# KiCad board PANEL7x5_ADS1293.kicad_pcb (continued)
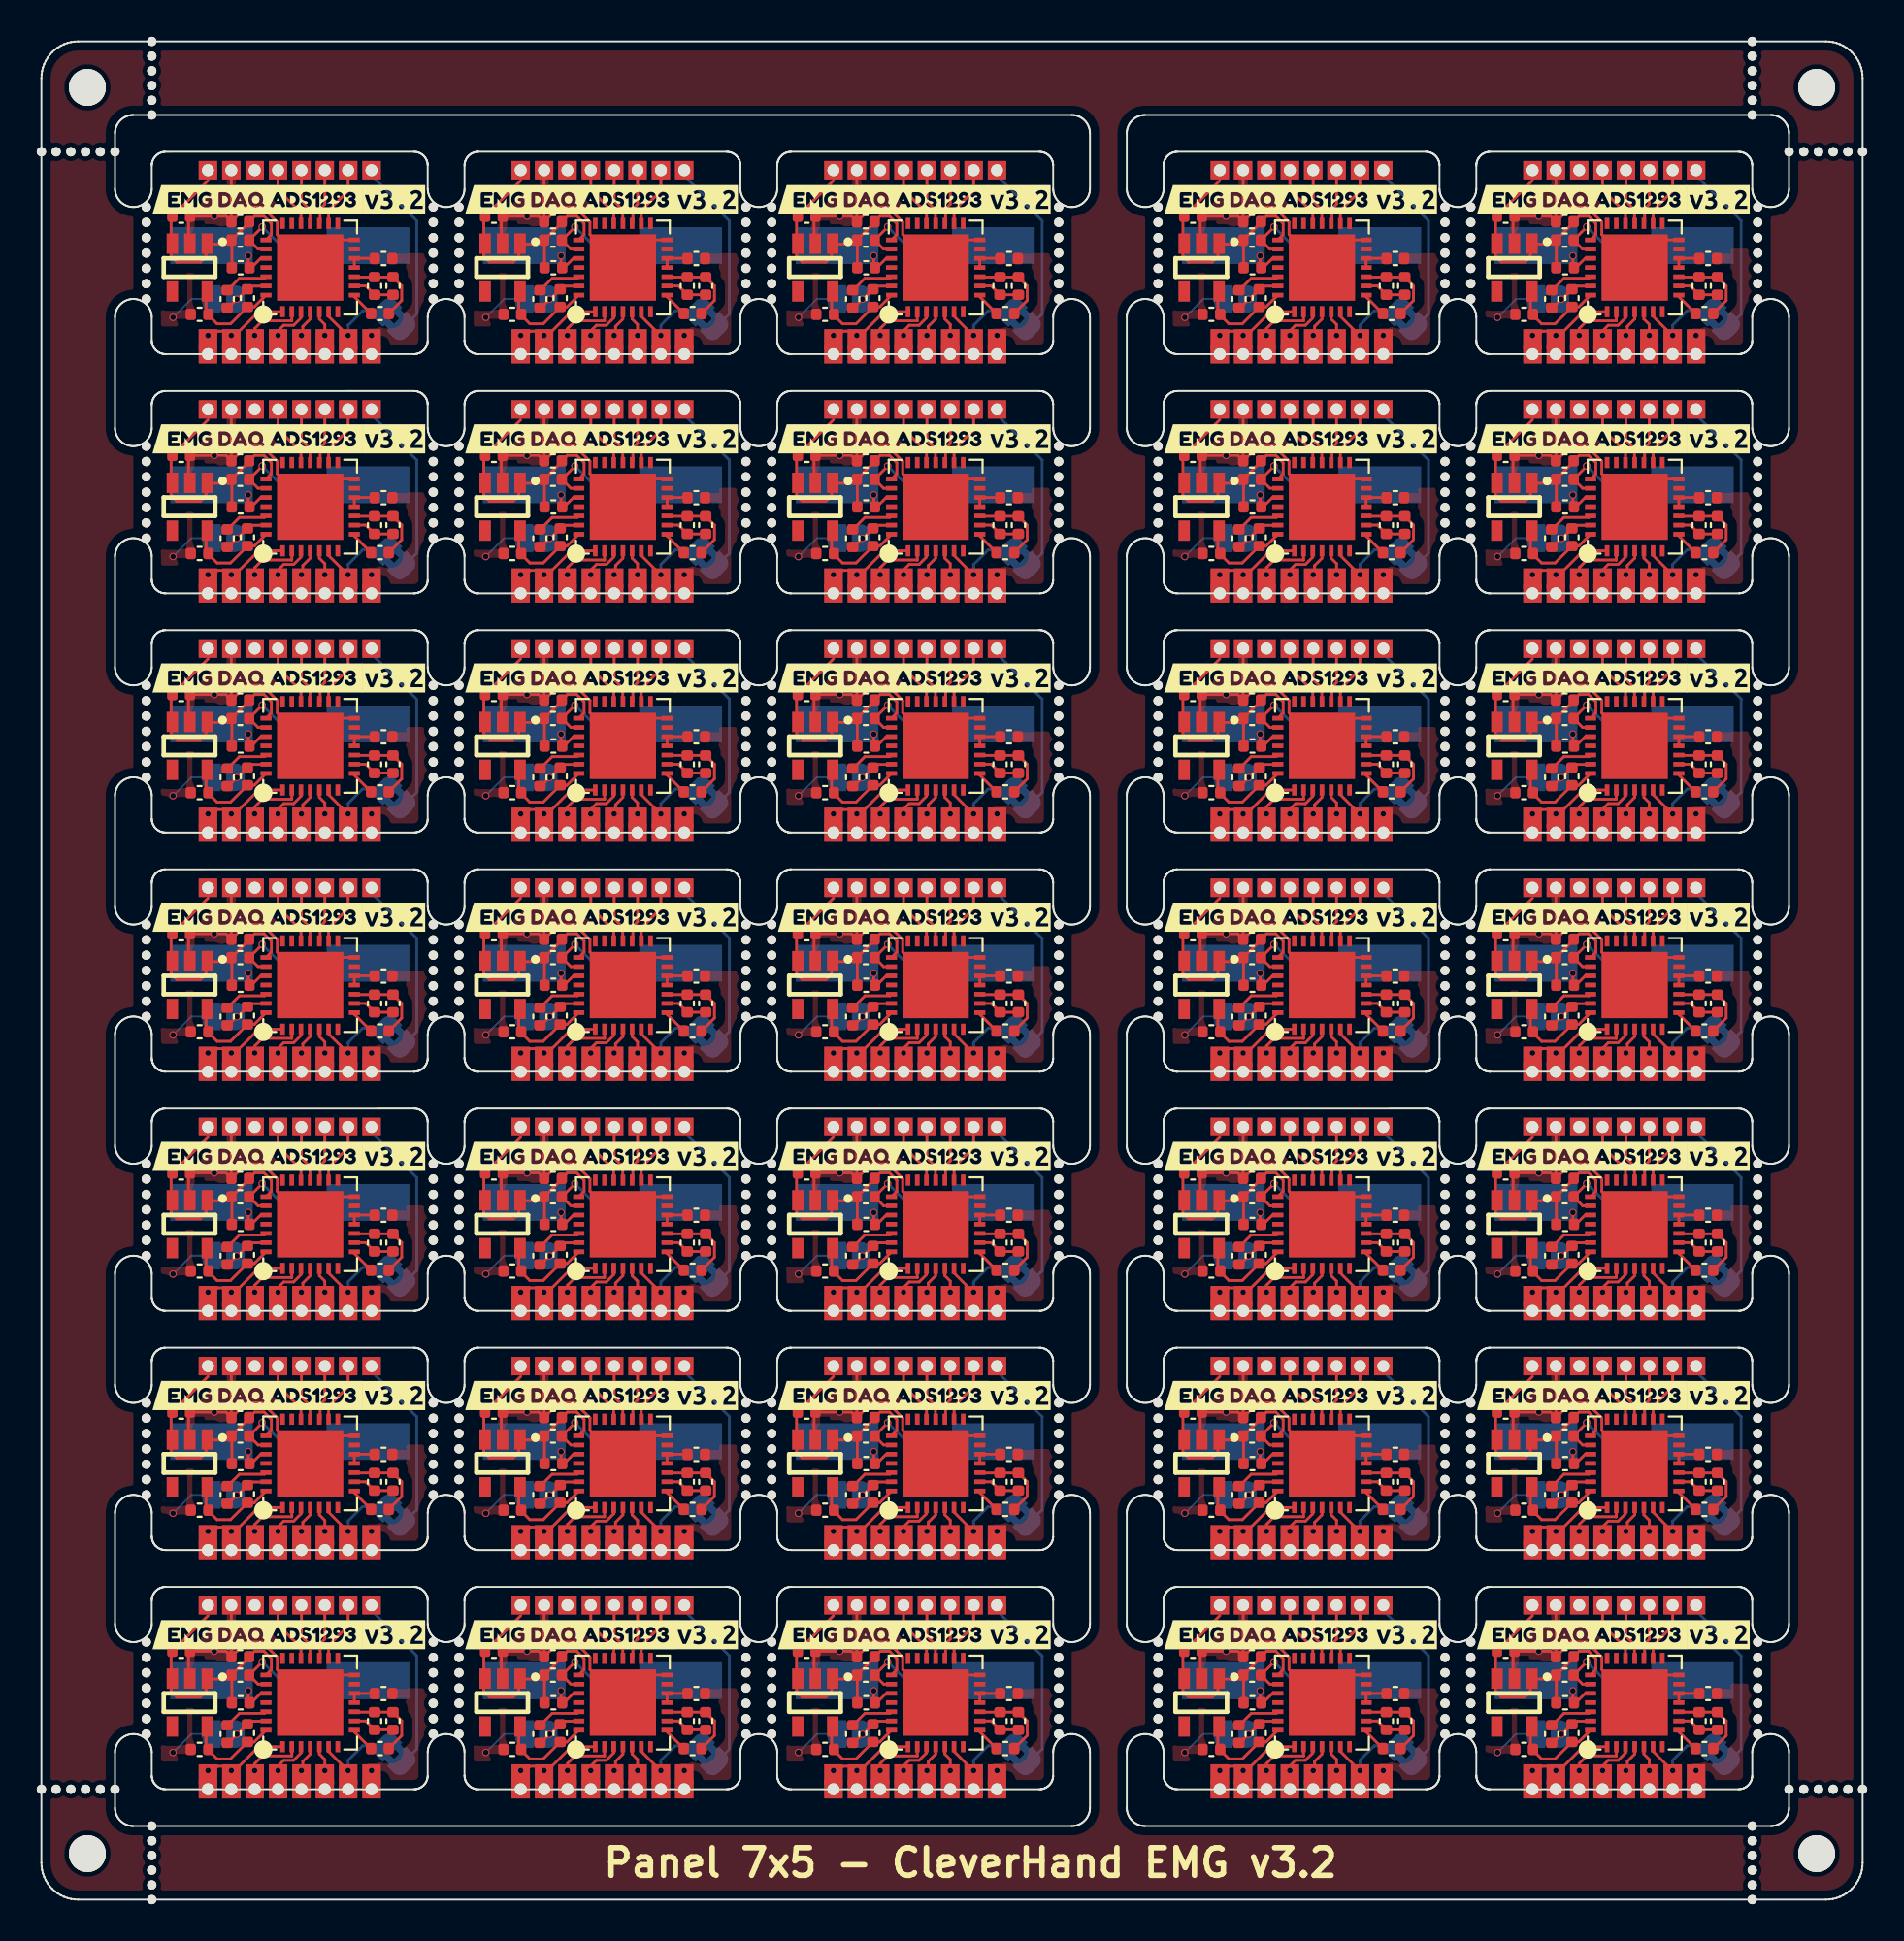
[diagram p0: board, top side]
## Nets (continued)
Board_16-+3.3VA: C1#28.1 C8#9.1 U1#35.28 U2#12.5
Board_16-/CMOUT: R1#14.2 U1#35.8
Board_16-/CSB: J12#3.1 U1#35.16
Board_16-/cvref: C2#33.1 U1#35.26
Board_16-/extRef: J7#26.1 JP2.1
Board_16-/in1: J2#22.1 J3#27.1 U1#35.1
Board_16-/in2: J4#24.1 U1#35.2
Board_16-/in3: J5#20.1 U1#35.3
Board_16-/in4: J6#3.1 U1#35.4
Board_16-/in5: J8#20.1 U1#35.5
Board_16-/in6: J15#23.1 JP2.2 U1#35.6
Board_16-/PICO: J10#13.1 U1#35.18
Board_16-/POCI: J9#5.1 U1#35.19
Board_16-/RLDINV: C6#7.1 R1#14.1 R2#14.1 U1#35.10
Board_16-/RLDOUT: C6#7.2 R2#14.2 U1#35.9
Board_16-/RLDREF: C7#2.1 U1#35.11 U1#35.12
Board_16-/SCLK: J11#26.1 U1#35.17
Board_16-GND: C5#13.2 C8#9.2 C9#16.2 J14#32.1 JP1#33.1 U1#35.14 U1#35.29 U2#12.2
Board_16-GNDA: C1#28.2 C2#33.2 C7#2.2 J16#10.1 JP1#33.2 U1#35.27
Board_16-unconnected-(J1-Pin_1-Pad1): J1#2.1
Board_16-unconnected-(U1-ALARMB-Pad15): U1#35.15
Board_16-unconnected-(U1-CLK-Pad21): U1#35.21
Board_16-unconnected-(U1-DRDYB-Pad20): U1#35.20
Board_16-unconnected-(U1-RSTB-Pad25): U1#35.25
Board_16-unconnected-(U1-SYNCB-Pad13): U1#35.13
Board_16-unconnected-(U1-WCT-Pad7): U1#35.7
Board_16-unconnected-(U2-NC-Pad4): U2#12.4
Board_16-XTAL1: C4#17.2 U1#35.23 Y1#23.1
Board_16-XTAL2: C3#18.2 U1#35.24 Y1#23.2
Board_17-+3.3V: C3#30.1 C4#27.1 C5#32.1 C9#31.1 J13#7.1 U1.22 U2#30.1 U2#30.3
Board_17-+3.3VA: C1#3.1 C8#28.1 U1.28 U2#30.5
Board_17-/CMOUT: R1#7.2 U1.8
Board_17-/CSB: J12#23.1 U1.16
Board_17-/cvref: C2#35.1 U1.26
Board_17-/extRef: J7#3.1 JP2#27.1
Board_17-/in1: J2#20.1 J3#21.1 U1.1
Board_17-/in2: J4#20.1 U1.2
Board_17-/in3: J5#35.1 U1.3
Board_17-/in4: J6.1 U1.4
Board_17-/in5: J8#3.1 U1.5
Board_17-/in6: J15#27.1 JP2#27.2 U1.6
Board_17-/PICO: J10#5.1 U1.18
Board_17-/POCI: J9#24.1 U1.19
Board_17-/RLDINV: C6#22.1 R1#7.1 R2#13.1 U1.10
Board_17-/RLDOUT: C6#22.2 R2#13.2 U1.9
Board_17-/RLDREF: C7#34.1 U1.11 U1.12
Board_17-/SCLK: J11#13.1 U1.17
Board_17-GND: C5#32.2 C8#28.2 C9#31.2 J14#35.1 JP1#15.1 U1.14 U1.29 U2#30.2
Board_17-GNDA: C1#3.2 C2#35.2 C7#34.2 J16#22.1 JP1#15.2 U1.27
Board_17-unconnected-(J1-Pin_1-Pad1): J1#30.1
Board_17-unconnected-(U1-ALARMB-Pad15): U1.15
Board_17-unconnected-(U1-CLK-Pad21): U1.21
Board_17-unconnected-(U1-DRDYB-Pad20): U1.20
Board_17-unconnected-(U1-RSTB-Pad25): U1.25
Board_17-unconnected-(U1-SYNCB-Pad13): U1.13
Board_17-unconnected-(U1-WCT-Pad7): U1.7
Board_17-unconnected-(U2-NC-Pad4): U2#30.4
Board_17-XTAL1: C4#27.2 U1.23 Y1#27.1
Board_17-XTAL2: C3#30.2 U1.24 Y1#27.2
Board_18-+3.3V: C3#31.1 C4#13.1 C5#18.1 C9#2.1 J13#4.1 U1#34.22 U2#28.1 U2#28.3
Board_18-+3.3VA: C1#32.1 C8#27.1 U1#34.28 U2#28.5
Board_18-/CMOUT: R1#4.2 U1#34.8
Board_18-/CSB: J12#5.1 U1#34.16
Board_18-/cvref: C2#27.1 U1#34.26
Board_18-/extRef: J7#16.1 JP2#10.1
Board_18-/in1: J2#16.1 J3#20.1 U1#34.1
Board_18-/in2: J4#29.1 U1#34.2
Board_18-/in3: J5#24.1 U1#34.3
Board_18-/in4: J6#2.1 U1#34.4
Board_18-/in5: J8#17.1 U1#34.5
Board_18-/in6: J15#19.1 JP2#10.2 U1#34.6
Board_18-/PICO: J10#23.1 U1#34.18
Board_18-/POCI: J9#31.1 U1#34.19
Board_18-/RLDINV: C6#12.1 R1#4.1 R2#17.1 U1#34.10
Board_18-/RLDOUT: C6#12.2 R2#17.2 U1#34.9
Board_18-/RLDREF: C7#24.1 U1#34.11 U1#34.12
Board_18-/SCLK: J11#9.1 U1#34.17
Board_18-GND: C5#18.2 C8#27.2 C9#2.2 J14#20.1 JP1#20.1 U1#34.14 U1#34.29 U2#28.2
Board_18-GNDA: C1#32.2 C2#27.2 C7#24.2 J16#33.1 JP1#20.2 U1#34.27
Board_18-unconnected-(J1-Pin_1-Pad1): J1#16.1
Board_18-unconnected-(U1-ALARMB-Pad15): U1#34.15
Board_18-unconnected-(U1-CLK-Pad21): U1#34.21
Board_18-unconnected-(U1-DRDYB-Pad20): U1#34.20
Board_18-unconnected-(U1-RSTB-Pad25): U1#34.25
Board_18-unconnected-(U1-SYNCB-Pad13): U1#34.13
Board_18-unconnected-(U1-WCT-Pad7): U1#34.7
Board_18-unconnected-(U2-NC-Pad4): U2#28.4
Board_18-XTAL1: C4#13.2 U1#34.23 Y1#14.1
Board_18-XTAL2: C3#31.2 U1#34.24 Y1#14.2
Board_19-+3.3V: C3#25.1 C4#12.1 C5#35.1 C9#28.1 J13#6.1 U1#24.22 U2#29.1 U2#29.3
Board_19-+3.3VA: C1#2.1 C8#7.1 U1#24.28 U2#29.5
Board_19-/CMOUT: R1#18.2 U1#24.8
Board_19-/CSB: J12#22.1 U1#24.16
Board_19-/cvref: C2#26.1 U1#24.26
Board_19-/extRef: J7#15.1 JP2#34.1
Board_19-/in1: J2#23.1 J3#11.1 U1#24.1
Board_19-/in2: J4#13.1 U1#24.2
Board_19-/in3: J5#29.1 U1#24.3
Board_19-/in4: J6#26.1 U1#24.4
Board_19-/in5: J8#32.1 U1#24.5
Board_19-/in6: J15#30.1 JP2#34.2 U1#24.6
Board_19-/PICO: J10#21.1 U1#24.18
Board_19-/POCI: J9#14.1 U1#24.19
Board_19-/RLDINV: C6#11.1 R1#18.1 R2#10.1 U1#24.10
Board_19-/RLDOUT: C6#11.2 R2#10.2 U1#24.9
Board_19-/RLDREF: C7#5.1 U1#24.11 U1#24.12
Board_19-/SCLK: J11#2.1 U1#24.17
Board_19-GND: C5#35.2 C8#7.2 C9#28.2 J14#26.1 JP1#19.1 U1#24.14 U1#24.29 U2#29.2
Board_19-GNDA: C1#2.2 C2#26.2 C7#5.2 J16#32.1 JP1#19.2 U1#24.27
Board_19-unconnected-(J1-Pin_1-Pad1): J1#28.1
Board_19-unconnected-(U1-ALARMB-Pad15): U1#24.15
Board_19-unconnected-(U1-CLK-Pad21): U1#24.21
Board_19-unconnected-(U1-DRDYB-Pad20): U1#24.20
Board_19-unconnected-(U1-RSTB-Pad25): U1#24.25
Board_19-unconnected-(U1-SYNCB-Pad13): U1#24.13
Board_19-unconnected-(U1-WCT-Pad7): U1#24.7
Board_19-unconnected-(U2-NC-Pad4): U2#29.4
Board_19-XTAL1: C4#12.2 U1#24.23 Y1#26.1
Board_19-XTAL2: C3#25.2 U1#24.24 Y1#26.2
Board_20-+3.3V: C3#2.1 C4#28.1 C5#33.1 C9#8.1 J13#17.1 U1#26.22 U2#15.1 U2#15.3
Board_20-+3.3VA: C1#20.1 C8#15.1 U1#26.28 U2#15.5
Board_20-/CMOUT: R1#31.2 U1#26.8
Board_20-/CSB: J12#24.1 U1#26.16
Board_20-/cvref: C2#22.1 U1#26.26
Board_20-/extRef: J7#5.1 JP2#2.1
Board_20-/in1: J2#15.1 J3#33.1 U1#26.1
Board_20-/in2: J4#23.1 U1#26.2
Board_20-/in3: J5#2.1 U1#26.3
Board_20-/in4: J6#31.1 U1#26.4
Board_20-/in5: J8#8.1 U1#26.5
Board_20-/in6: J15#2.1 JP2#2.2 U1#26.6
Board_20-/PICO: J10#29.1 U1#26.18
Board_20-/POCI: J9#26.1 U1#26.19
Board_20-/RLDINV: C6#4.1 R1#31.1 R2#11.1 U1#26.10
Board_20-/RLDOUT: C6#4.2 R2#11.2 U1#26.9
Board_20-/RLDREF: C7#31.1 U1#26.11 U1#26.12
Board_20-/SCLK: J11#21.1 U1#26.17
Board_20-GND: C5#33.2 C8#15.2 C9#8.2 J14#23.1 JP1#17.1 U1#26.14 U1#26.29 U2#15.2
Board_20-GNDA: C1#20.2 C2#22.2 C7#31.2 J16#19.1 JP1#17.2 U1#26.27
Board_20-unconnected-(J1-Pin_1-Pad1): J1#12.1
Board_20-unconnected-(U1-ALARMB-Pad15): U1#26.15
Board_20-unconnected-(U1-CLK-Pad21): U1#26.21
Board_20-unconnected-(U1-DRDYB-Pad20): U1#26.20
Board_20-unconnected-(U1-RSTB-Pad25): U1#26.25
Board_20-unconnected-(U1-SYNCB-Pad13): U1#26.13
Board_20-unconnected-(U1-WCT-Pad7): U1#26.7
Board_20-unconnected-(U2-NC-Pad4): U2#15.4
Board_20-XTAL1: C4#28.2 U1#26.23 Y1#16.1
Board_20-XTAL2: C3#2.2 U1#26.24 Y1#16.2
Board_21-+3.3V: C3#4.1 C4#2.1 C5#10.1 C9#12.1 J13#29.1 U1#19.22 U2#21.1 U2#21.3
Board_21-+3.3VA: C1#27.1 C8#18.1 U1#19.28 U2#21.5
Board_21-/CMOUT: R1#5.2 U1#19.8
Board_21-/CSB: J12#21.1 U1#19.16
Board_21-/cvref: C2#4.1 U1#19.26
Board_21-/extRef: J7#29.1 JP2#19.1
Board_21-/in1: J2#11.1 J3.1 U1#19.1
Board_21-/in2: J4#6.1 U1#19.2
Board_21-/in3: J5#16.1 U1#19.3
Board_21-/in4: J6#7.1 U1#19.4
Board_21-/in5: J8#27.1 U1#19.5
Board_21-/in6: J15#35.1 JP2#19.2 U1#19.6
Board_21-/PICO: J10#20.1 U1#19.18
Board_21-/POCI: J9#28.1 U1#19.19
Board_21-/RLDINV: C6#9.1 R1#5.1 R2#20.1 U1#19.10
Board_21-/RLDOUT: C6#9.2 R2#20.2 U1#19.9
Board_21-/RLDREF: C7#35.1 U1#19.11 U1#19.12
Board_21-/SCLK: J11#11.1 U1#19.17
Board_21-GND: C5#10.2 C8#18.2 C9#12.2 J14#16.1 JP1#10.1 U1#19.14 U1#19.29 U2#21.2
Board_21-GNDA: C1#27.2 C2#4.2 C7#35.2 J16#34.1 JP1#10.2 U1#19.27
Board_21-unconnected-(J1-Pin_1-Pad1): J1#35.1
Board_21-unconnected-(U1-ALARMB-Pad15): U1#19.15
Board_21-unconnected-(U1-CLK-Pad21): U1#19.21
Board_21-unconnected-(U1-DRDYB-Pad20): U1#19.20
Board_21-unconnected-(U1-RSTB-Pad25): U1#19.25
Board_21-unconnected-(U1-SYNCB-Pad13): U1#19.13
Board_21-unconnected-(U1-WCT-Pad7): U1#19.7
Board_21-unconnected-(U2-NC-Pad4): U2#21.4
Board_21-XTAL1: C4#2.2 U1#19.23 Y1#7.1
Board_21-XTAL2: C3#4.2 U1#19.24 Y1#7.2
Board_22-+3.3V: C3#5.1 C4#7.1 C5#4.1 C9#32.1 J13#11.1 U1#6.22 U2#25.1 U2#25.3
Board_22-+3.3VA: C1#11.1 C8#30.1 U1#6.28 U2#25.5
Board_22-/CMOUT: R1#19.2 U1#6.8
Board_22-/CSB: J12#15.1 U1#6.16
Board_22-/cvref: C2#20.1 U1#6.26
Board_22-/extRef: J7#9.1 JP2#33.1
Board_22-/in1: J2#27.1 J3#16.1 U1#6.1
Board_22-/in2: J4#11.1 U1#6.2
Board_22-/in3: J5#13.1 U1#6.3
Board_22-/in4: J6#5.1 U1#6.4
Board_22-/in5: J8#18.1 U1#6.5
Board_22-/in6: J15#14.1 JP2#33.2 U1#6.6
Board_22-/PICO: J10#28.1 U1#6.18
Board_22-/POCI: J9#17.1 U1#6.19
Board_22-/RLDINV: C6#24.1 R1#19.1 R2#15.1 U1#6.10
Board_22-/RLDOUT: C6#24.2 R2#15.2 U1#6.9
Board_22-/RLDREF: C7#16.1 U1#6.11 U1#6.12
Board_22-/SCLK: J11#20.1 U1#6.17
Board_22-GND: C5#4.2 C8#30.2 C9#32.2 J14#29.1 JP1#6.1 U1#6.14 U1#6.29 U2#25.2
Board_22-GNDA: C1#11.2 C2#20.2 C7#16.2 J16#18.1 JP1#6.2 U1#6.27
Board_22-unconnected-(J1-Pin_1-Pad1): J1#3.1
Board_22-unconnected-(U1-ALARMB-Pad15): U1#6.15
Board_22-unconnected-(U1-CLK-Pad21): U1#6.21
Board_22-unconnected-(U1-DRDYB-Pad20): U1#6.20
Board_22-unconnected-(U1-RSTB-Pad25): U1#6.25
Board_22-unconnected-(U1-SYNCB-Pad13): U1#6.13
Board_22-unconnected-(U1-WCT-Pad7): U1#6.7
Board_22-unconnected-(U2-NC-Pad4): U2#25.4
Board_22-XTAL1: C4#7.2 U1#6.23 Y1#22.1
Board_22-XTAL2: C3#5.2 U1#6.24 Y1#22.2
Board_23-+3.3V: C3#13.1 C4#5.1 C5#22.1 C9#4.1 J13#35.1 U1#8.22 U2#9.1 U2#9.3
Board_23-+3.3VA: C1#26.1 C8#20.1 U1#8.28 U2#9.5
Board_23-/CMOUT: R1#20.2 U1#8.8
Board_23-/CSB: J12#4.1 U1#8.16
Board_23-/cvref: C2#18.1 U1#8.26
Board_23-/extRef: J7#7.1 JP2#21.1
Board_23-/in1: J2#35.1 J3#30.1 U1#8.1
Board_23-/in2: J4#33.1 U1#8.2
Board_23-/in3: J5#22.1 U1#8.3
Board_23-/in4: J6#9.1 U1#8.4
Board_23-/in5: J8#30.1 U1#8.5
Board_23-/in6: J15#31.1 JP2#21.2 U1#8.6
Board_23-/PICO: J10#17.1 U1#8.18
Board_23-/POCI: J9#29.1 U1#8.19
Board_23-/RLDINV: C6#25.1 R1#20.1 R2#33.1 U1#8.10
Board_23-/RLDOUT: C6#25.2 R2#33.2 U1#8.9
Board_23-/RLDREF: C7#23.1 U1#8.11 U1#8.12
Board_23-/SCLK: J11#28.1 U1#8.17
Board_23-GND: C5#22.2 C8#20.2 C9#4.2 J14#27.1 JP1#25.1 U1#8.14 U1#8.29 U2#9.2
Board_23-GNDA: C1#26.2 C2#18.2 C7#23.2 J16#25.1 JP1#25.2 U1#8.27
Board_23-unconnected-(J1-Pin_1-Pad1): J1#19.1
Board_23-unconnected-(U1-ALARMB-Pad15): U1#8.15
Board_23-unconnected-(U1-CLK-Pad21): U1#8.21
Board_23-unconnected-(U1-DRDYB-Pad20): U1#8.20
Board_23-unconnected-(U1-RSTB-Pad25): U1#8.25
Board_23-unconnected-(U1-SYNCB-Pad13): U1#8.13
Board_23-unconnected-(U1-WCT-Pad7): U1#8.7
Board_23-unconnected-(U2-NC-Pad4): U2#9.4
Board_23-XTAL1: C4#5.2 U1#8.23 Y1#29.1
Board_23-XTAL2: C3#13.2 U1#8.24 Y1#29.2
Board_24-+3.3V: C3#24.1 C4#22.1 C5.1 C9#33.1 J13#9.1 U1#33.22 U2#27.1 U2#27.3
Board_24-+3.3VA: C1#4.1 C8.1 U1#33.28 U2#27.5
Board_24-/CMOUT: R1#21.2 U1#33.8
Board_24-/CSB: J12#34.1 U1#33.16
Board_24-/cvref: C2#24.1 U1#33.26
Board_24-/extRef: J7#17.1 JP2#13.1
Board_24-/in1: J2#13.1 J3#19.1 U1#33.1
Board_24-/in2: J4#19.1 U1#33.2
Board_24-/in3: J5#17.1 U1#33.3
Board_24-/in4: J6#29.1 U1#33.4
Board_24-/in5: J8#33.1 U1#33.5
Board_24-/in6: J15#20.1 JP2#13.2 U1#33.6
Board_24-/PICO: J10#26.1 U1#33.18
Board_24-/POCI: J9#35.1 U1#33.19
Board_24-/RLDINV: C6#33.1 R1#21.1 R2#22.1 U1#33.10
Board_24-/RLDOUT: C6#33.2 R2#22.2 U1#33.9
Board_24-/RLDREF: C7#28.1 U1#33.11 U1#33.12
Board_24-/SCLK: J11#19.1 U1#33.17
Board_24-GND: C5.2 C8.2 C9#33.2 J14.1 JP1#32.1 U1#33.14 U1#33.29 U2#27.2
Board_24-GNDA: C1#4.2 C2#24.2 C7#28.2 J16#8.1 JP1#32.2 U1#33.27
Board_24-unconnected-(J1-Pin_1-Pad1): J1#14.1
Board_24-unconnected-(U1-ALARMB-Pad15): U1#33.15
Board_24-unconnected-(U1-CLK-Pad21): U1#33.21
Board_24-unconnected-(U1-DRDYB-Pad20): U1#33.20
Board_24-unconnected-(U1-RSTB-Pad25): U1#33.25
Board_24-unconnected-(U1-SYNCB-Pad13): U1#33.13
Board_24-unconnected-(U1-WCT-Pad7): U1#33.7
Board_24-unconnected-(U2-NC-Pad4): U2#27.4
Board_24-XTAL1: C4#22.2 U1#33.23 Y1#35.1
Board_24-XTAL2: C3#24.2 U1#33.24 Y1#35.2
Board_25-+3.3V: C3#26.1 C4#19.1 C5#5.1 C9#25.1 J13#13.1 U1#14.22 U2#34.1 U2#34.3
Board_25-+3.3VA: C1#33.1 C8#31.1 U1#14.28 U2#34.5
Board_25-/CMOUT: R1#16.2 U1#14.8
Board_25-/CSB: J12#32.1 U1#14.16
Board_25-/cvref: C2#13.1 U1#14.26
Board_25-/extRef: J7#12.1 JP2#6.1
Board_25-/in1: J2#14.1 J3#34.1 U1#14.1
Board_25-/in2: J4#31.1 U1#14.2
Board_25-/in3: J5#21.1 U1#14.3
Board_25-/in4: J6#25.1 U1#14.4
Board_25-/in5: J8#9.1 U1#14.5
Board_25-/in6: J15#3.1 JP2#6.2 U1#14.6
Board_25-/PICO: J10#18.1 U1#14.18
Board_25-/POCI: J9#3.1 U1#14.19
Board_25-/RLDINV: C6#20.1 R1#16.1 R2#23.1 U1#14.10
Board_25-/RLDOUT: C6#20.2 R2#23.2 U1#14.9
Board_25-/RLDREF: C7#33.1 U1#14.11 U1#14.12
Board_25-/SCLK: J11#3.1 U1#14.17
Board_25-GND: C5#5.2 C8#31.2 C9#25.2 J14#18.1 JP1#22.1 U1#14.14 U1#14.29 U2#34.2
Board_25-GNDA: C1#33.2 C2#13.2 C7#33.2 J16#4.1 JP1#22.2 U1#14.27
Board_25-unconnected-(J1-Pin_1-Pad1): J1#7.1
Board_25-unconnected-(U1-ALARMB-Pad15): U1#14.15
Board_25-unconnected-(U1-CLK-Pad21): U1#14.21
Board_25-unconnected-(U1-DRDYB-Pad20): U1#14.20
Board_25-unconnected-(U1-RSTB-Pad25): U1#14.25
Board_25-unconnected-(U1-SYNCB-Pad13): U1#14.13
Board_25-unconnected-(U1-WCT-Pad7): U1#14.7
Board_25-unconnected-(U2-NC-Pad4): U2#34.4
Board_25-XTAL1: C4#19.2 U1#14.23 Y1#31.1
Board_25-XTAL2: C3#26.2 U1#14.24 Y1#31.2
Board_26-+3.3V: C3#27.1 C4#24.1 C5#15.1 C9#14.1 J13.1 U1#2.22 U2#31.1 U2#31.3
Board_26-+3.3VA: C1.1 C8#26.1 U1#2.28 U2#31.5
Board_26-/CMOUT: R1#3.2 U1#2.8
Board_26-/CSB: J12#12.1 U1#2.16
Board_26-/cvref: C2#14.1 U1#2.26
Board_26-/extRef: J7#4.1 JP2#9.1
Board_26-/in1: J2#21.1 J3#23.1 U1#2.1
Board_26-/in2: J4#9.1 U1#2.2
Board_26-/in3: J5#18.1 U1#2.3
Board_26-/in4: J6#11.1 U1#2.4
Board_26-/in5: J8#6.1 U1#2.5
Board_26-/in6: J15#22.1 JP2#9.2 U1#2.6
Board_26-/PICO: J10#33.1 U1#2.18
Board_26-/POCI: J9#25.1 U1#2.19
Board_26-/RLDINV: C6#31.1 R1#3.1 R2#18.1 U1#2.10
Board_26-/RLDOUT: C6#31.2 R2#18.2 U1#2.9
Board_26-/RLDREF: C7#21.1 U1#2.11 U1#2.12
Board_26-/SCLK: J11#7.1 U1#2.17
Board_26-GND: C5#15.2 C8#26.2 C9#14.2 J14#4.1 JP1#26.1 U1#2.14 U1#2.29 U2#31.2
Board_26-GNDA: C1.2 C2#14.2 C7#21.2 J16#2.1 JP1#26.2 U1#2.27
Board_26-unconnected-(J1-Pin_1-Pad1): J1#29.1
Board_26-unconnected-(U1-ALARMB-Pad15): U1#2.15
Board_26-unconnected-(U1-CLK-Pad21): U1#2.21
Board_26-unconnected-(U1-DRDYB-Pad20): U1#2.20
Board_26-unconnected-(U1-RSTB-Pad25): U1#2.25
Board_26-unconnected-(U1-SYNCB-Pad13): U1#2.13
Board_26-unconnected-(U1-WCT-Pad7): U1#2.7
Board_26-unconnected-(U2-NC-Pad4): U2#31.4
Board_26-XTAL1: C4#24.2 U1#2.23 Y1#32.1
Board_26-XTAL2: C3#27.2 U1#2.24 Y1#32.2
Board_27-+3.3V: C3#8.1 C4#18.1 C5#28.1 C9#34.1 J13#8.1 U1#17.22 U2#23.1 U2#23.3
Board_27-+3.3VA: C1#14.1 C8#24.1 U1#17.28 U2#23.5
Board_27-/CMOUT: R1#29.2 U1#17.8
Board_27-/CSB: J12#29.1 U1#17.16
Board_27-/cvref: C2#31.1 U1#17.26
Board_27-/extRef: J7#24.1 JP2#31.1
Board_27-/in1: J2#18.1 J3#35.1 U1#17.1
Board_27-/in2: J4#34.1 U1#17.2
Board_27-/in3: J5#5.1 U1#17.3
Board_27-/in4: J6#28.1 U1#17.4
Board_27-/in5: J8#13.1 U1#17.5
Board_27-/in6: J15#29.1 JP2#31.2 U1#17.6
Board_27-/PICO: J10#32.1 U1#17.18
Board_27-/POCI: J9#32.1 U1#17.19
Board_27-/RLDINV: C6#13.1 R1#29.1 R2#3.1 U1#17.10
Board_27-/RLDOUT: C6#13.2 R2#3.2 U1#17.9
Board_27-/RLDREF: C7#9.1 U1#17.11 U1#17.12
Board_27-/SCLK: J11#32.1 U1#17.17
Board_27-GND: C5#28.2 C8#24.2 C9#34.2 J14#14.1 JP1#5.1 U1#17.14 U1#17.29 U2#23.2
Board_27-GNDA: C1#14.2 C2#31.2 C7#9.2 J16#26.1 JP1#5.2 U1#17.27
Board_27-unconnected-(J1-Pin_1-Pad1): J1#33.1
Board_27-unconnected-(U1-ALARMB-Pad15): U1#17.15
Board_27-unconnected-(U1-CLK-Pad21): U1#17.21
Board_27-unconnected-(U1-DRDYB-Pad20): U1#17.20
Board_27-unconnected-(U1-RSTB-Pad25): U1#17.25
Board_27-unconnected-(U1-SYNCB-Pad13): U1#17.13
Board_27-unconnected-(U1-WCT-Pad7): U1#17.7
Board_27-unconnected-(U2-NC-Pad4): U2#23.4
Board_27-XTAL1: C4#18.2 U1#17.23 Y1#33.1
Board_27-XTAL2: C3#8.2 U1#17.24 Y1#33.2
Board_28-+3.3V: C3#9.1 C4#14.1 C5#2.1 C9#26.1 J13#27.1 U1#13.22 U2#10.1 U2#10.3
Board_28-+3.3VA: C1#31.1 C8#12.1 U1#13.28 U2#10.5
Board_28-/CMOUT: R1#24.2 U1#13.8
Board_28-/CSB: J12#2.1 U1#13.16
Board_28-/cvref: C2#8.1 U1#13.26
Board_28-/extRef: J7#6.1 JP2#8.1
Board_28-/in1: J2#2.1 J3#10.1 U1#13.1
Board_28-/in2: J4#8.1 U1#13.2
Board_28-/in3: J5#19.1 U1#13.3
Board_28-/in4: J6#13.1 U1#13.4
Board_28-/in5: J8#5.1 U1#13.5
Board_28-/in6: J15#15.1 JP2#8.2 U1#13.6
Board_28-/PICO: J10#14.1 U1#13.18
Board_28-/POCI: J9#13.1 U1#13.19
Board_28-/RLDINV: C6#29.1 R1#24.1 R2#26.1 U1#13.10
Board_28-/RLDOUT: C6#29.2 R2#26.2 U1#13.9
Board_28-/RLDREF: C7#4.1 U1#13.11 U1#13.12
Board_28-/SCLK: J11#6.1 U1#13.17
Board_28-GND: C5#2.2 C8#12.2 C9#26.2 J14#12.1 JP1#4.1 U1#13.14 U1#13.29 U2#10.2
Board_28-GNDA: C1#31.2 C2#8.2 C7#4.2 J16#21.1 JP1#4.2 U1#13.27
Board_28-unconnected-(J1-Pin_1-Pad1): J1#22.1
Board_28-unconnected-(U1-ALARMB-Pad15): U1#13.15
Board_28-unconnected-(U1-CLK-Pad21): U1#13.21
Board_28-unconnected-(U1-DRDYB-Pad20): U1#13.20
Board_28-unconnected-(U1-RSTB-Pad25): U1#13.25
Board_28-unconnected-(U1-SYNCB-Pad13): U1#13.13
Board_28-unconnected-(U1-WCT-Pad7): U1#13.7
Board_28-unconnected-(U2-NC-Pad4): U2#10.4
Board_28-XTAL1: C4#14.2 U1#13.23 Y1#34.1
Board_28-XTAL2: C3#9.2 U1#13.24 Y1#34.2
Board_29-+3.3V: C3#32.1 C4#16.1 C5#19.1 C9#18.1 J13#15.1 U1#10.22 U2#20.1 U2#20.3
Board_29-+3.3VA: C1#12.1 C8#25.1 U1#10.28 U2#20.5
Board_29-/CMOUT: R1#34.2 U1#10.8
Board_29-/CSB: J12#25.1 U1#10.16
Board_29-/cvref: C2#23.1 U1#10.26
Board_29-/extRef: J7#27.1 JP2#32.1
Board_29-/in1: J2#10.1 J3#7.1 U1#10.1
Board_29-/in2: J4#10.1 U1#10.2
Board_29-/in3: J5#33.1 U1#10.3
Board_29-/in4: J6#24.1 U1#10.4
Board_29-/in5: J8#25.1 U1#10.5
Board_29-/in6: J15#8.1 JP2#32.2 U1#10.6
Board_29-/PICO: J10#7.1 U1#10.18
Board_29-/POCI: J9#4.1 U1#10.19
Board_29-/RLDINV: C6#35.1 R1#34.1 R2#34.1 U1#10.10
Board_29-/RLDOUT: C6#35.2 R2#34.2 U1#10.9
Board_29-/RLDREF: C7#14.1 U1#10.11 U1#10.12
Board_29-/SCLK: J11#10.1 U1#10.17
Board_29-GND: C5#19.2 C8#25.2 C9#18.2 J14#34.1 JP1#28.1 U1#10.14 U1#10.29 U2#20.2
Board_29-GNDA: C1#12.2 C2#23.2 C7#14.2 J16#14.1 JP1#28.2 U1#10.27
Board_29-unconnected-(J1-Pin_1-Pad1): J1#15.1
Board_29-unconnected-(U1-ALARMB-Pad15): U1#10.15
Board_29-unconnected-(U1-CLK-Pad21): U1#10.21
Board_29-unconnected-(U1-DRDYB-Pad20): U1#10.20
Board_29-unconnected-(U1-RSTB-Pad25): U1#10.25
Board_29-unconnected-(U1-SYNCB-Pad13): U1#10.13
Board_29-unconnected-(U1-WCT-Pad7): U1#10.7
Board_29-unconnected-(U2-NC-Pad4): U2#20.4
Board_29-XTAL1: C4#16.2 U1#10.23 Y1.1
Board_29-XTAL2: C3#32.2 U1#10.24 Y1.2
Board_30-+3.3V: C3#16.1 C4#29.1 C5#27.1 C9#7.1 J13#16.1 U1#20.22 U2#3.1 U2#3.3
Board_30-+3.3VA: C1#16.1 C8#8.1 U1#20.28 U2#3.5
Board_30-/CMOUT: R1#33.2 U1#20.8
Board_30-/CSB: J12.1 U1#20.16
Board_30-/cvref: C2#12.1 U1#20.26
Board_30-/extRef: J7#20.1 JP2#22.1
Board_30-/in1: J2#33.1 J3#9.1 U1#20.1
Board_30-/in2: J4#2.1 U1#20.2
Board_30-/in3: J5#34.1 U1#20.3
Board_30-/in4: J6#33.1 U1#20.4
Board_30-/in5: J8#11.1 U1#20.5
Board_30-/in6: J15#9.1 JP2#22.2 U1#20.6
Board_30-/PICO: J10.1 U1#20.18
Board_30-/POCI: J9#18.1 U1#20.19
Board_30-/RLDINV: C6#30.1 R1#33.1 R2#31.1 U1#20.10
Board_30-/RLDOUT: C6#30.2 R2#31.2 U1#20.9
Board_30-/RLDREF: C7#11.1 U1#20.11 U1#20.12
Board_30-/SCLK: J11.1 U1#20.17
Board_30-GND: C5#27.2 C8#8.2 C9#7.2 J14#10.1 JP1#18.1 U1#20.14 U1#20.29 U2#3.2
Board_30-GNDA: C1#16.2 C2#12.2 C7#11.2 J16#17.1 JP1#18.2 U1#20.27
Board_30-unconnected-(J1-Pin_1-Pad1): J1#8.1
Board_30-unconnected-(U1-ALARMB-Pad15): U1#20.15
Board_30-unconnected-(U1-CLK-Pad21): U1#20.21
Board_30-unconnected-(U1-DRDYB-Pad20): U1#20.20
Board_30-unconnected-(U1-RSTB-Pad25): U1#20.25
Board_30-unconnected-(U1-SYNCB-Pad13): U1#20.13
Board_30-unconnected-(U1-WCT-Pad7): U1#20.7
Board_30-unconnected-(U2-NC-Pad4): U2#3.4
Board_30-XTAL1: C4#29.2 U1#20.23 Y1#19.1
Board_30-XTAL2: C3#16.2 U1#20.24 Y1#19.2
Board_31-+3.3V: C3#21.1 C4#15.1 C5#8.1 C9#29.1 J13#31.1 U1#12.22 U2#5.1 U2#5.3
Board_31-+3.3VA: C1#18.1 C8#29.1 U1#12.28 U2#5.5
Board_31-/CMOUT: R1.2 U1#12.8
Board_31-/CSB: J12#30.1 U1#12.16
Board_31-/cvref: C2#34.1 U1#12.26
Board_31-/extRef: J7#2.1 JP2#5.1
Board_31-/in1: J2.1 J3#8.1 U1#12.1
Board_31-/in2: J4#32.1 U1#12.2
Board_31-/in3: J5#23.1 U1#12.3
Board_31-/in4: J6#12.1 U1#12.4
Board_31-/in5: J8#35.1 U1#12.5
Board_31-/in6: J15#13.1 JP2#5.2 U1#12.6
Board_31-/PICO: J10#30.1 U1#12.18
Board_31-/POCI: J9#21.1 U1#12.19
Board_31-/RLDINV: C6#6.1 R1.1 R2#8.1 U1#12.10
Board_31-/RLDOUT: C6#6.2 R2#8.2 U1#12.9
Board_31-/RLDREF: C7#20.1 U1#12.11 U1#12.12
Board_31-/SCLK: J11#5.1 U1#12.17
Board_31-GND: C5#8.2 C8#29.2 C9#29.2 J14#30.1 JP1#34.1 U1#12.14 U1#12.29 U2#5.2
Board_31-GNDA: C1#18.2 C2#34.2 C7#20.2 J16#13.1 JP1#34.2 U1#12.27
Board_31-unconnected-(J1-Pin_1-Pad1): J1#25.1
Board_31-unconnected-(U1-ALARMB-Pad15): U1#12.15
Board_31-unconnected-(U1-CLK-Pad21): U1#12.21
Board_31-unconnected-(U1-DRDYB-Pad20): U1#12.20
Board_31-unconnected-(U1-RSTB-Pad25): U1#12.25
Board_31-unconnected-(U1-SYNCB-Pad13): U1#12.13
Board_31-unconnected-(U1-WCT-Pad7): U1#12.7
Board_31-unconnected-(U2-NC-Pad4): U2#5.4
Board_31-XTAL1: C4#15.2 U1#12.23 Y1#24.1
Board_31-XTAL2: C3#21.2 U1#12.24 Y1#24.2
Board_32-+3.3V: C3#15.1 C4#32.1 C5#3.1 C9#13.1 J13#18.1 U1#21.22 U2#24.1 U2#24.3
Board_32-+3.3VA: C1#6.1 C8#4.1 U1#21.28 U2#24.5
Board_32-/CMOUT: R1#23.2 U1#21.8
Board_32-/CSB: J12#9.1 U1#21.16
Board_32-/cvref: C2#3.1 U1#21.26
Board_32-/extRef: J7#21.1 JP2#18.1
Board_32-/in1: J2#28.1 J3#24.1 U1#21.1
Board_32-/in2: J4#35.1 U1#21.2
Board_32-/in3: J5#30.1 U1#21.3
Board_32-/in4: J6#30.1 U1#21.4
Board_32-/in5: J8#2.1 U1#21.5
Board_32-/in6: J15#28.1 JP2#18.2 U1#21.6
Board_32-/PICO: J10#16.1 U1#21.18
Board_32-/POCI: J9.1 U1#21.19
Board_32-/RLDINV: C6#19.1 R1#23.1 R2#30.1 U1#21.10
Board_32-/RLDOUT: C6#19.2 R2#30.2 U1#21.9
Board_32-/RLDREF: C7#19.1 U1#21.11 U1#21.12
Board_32-/SCLK: J11#29.1 U1#21.17
Board_32-GND: C5#3.2 C8#4.2 C9#13.2 J14#11.1 JP1#9.1 U1#21.14 U1#21.29 U2#24.2
Board_32-GNDA: C1#6.2 C2#3.2 C7#19.2 J16#12.1 JP1#9.2 U1#21.27
Board_32-unconnected-(J1-Pin_1-Pad1): J1#18.1
Board_32-unconnected-(U1-ALARMB-Pad15): U1#21.15
Board_32-unconnected-(U1-CLK-Pad21): U1#21.21
Board_32-unconnected-(U1-DRDYB-Pad20): U1#21.20
Board_32-unconnected-(U1-RSTB-Pad25): U1#21.25
Board_32-unconnected-(U1-SYNCB-Pad13): U1#21.13
Board_32-unconnected-(U1-WCT-Pad7): U1#21.7
Board_32-unconnected-(U2-NC-Pad4): U2#24.4
Board_32-XTAL1: C4#32.2 U1#21.23 Y1#8.1
Board_32-XTAL2: C3#15.2 U1#21.24 Y1#8.2
Board_33-+3.3V: C3#33.1 C4.1 C5#20.1 C9#11.1 J13#34.1 U1#4.22 U2#17.1 U2#17.3
Board_33-+3.3VA: C1#5.1 C8#34.1 U1#4.28 U2#17.5
Board_33-/CMOUT: R1#17.2 U1#4.8
Board_33-/CSB: J12#7.1 U1#4.16
Board_33-/cvref: C2#25.1 U1#4.26
Board_33-/extRef: J7#14.1 JP2#17.1
Board_33-/in1: J2#7.1 J3#22.1 U1#4.1
Board_33-/in2: J4#16.1 U1#4.2
Board_33-/in3: J5#12.1 U1#4.3
Board_33-/in4: J6#32.1 U1#4.4
Board_33-/in5: J8#12.1 U1#4.5
Board_33-/in6: J15#34.1 JP2#17.2 U1#4.6
Board_33-/PICO: J10#3.1 U1#4.18
Board_33-/POCI: J9#15.1 U1#4.19
Board_33-/RLDINV: C6#18.1 R1#17.1 R2#4.1 U1#4.10
Board_33-/RLDOUT: C6#18.2 R2#4.2 U1#4.9
Board_33-/RLDREF: C7#17.1 U1#4.11 U1#4.12
Board_33-/SCLK: J11#4.1 U1#4.17
Board_33-GND: C5#20.2 C8#34.2 C9#11.2 J14#15.1 JP1#14.1 U1#4.14 U1#4.29 U2#17.2
Board_33-GNDA: C1#5.2 C2#25.2 C7#17.2 J16#28.1 JP1#14.2 U1#4.27
Board_33-unconnected-(J1-Pin_1-Pad1): J1#5.1
Board_33-unconnected-(U1-ALARMB-Pad15): U1#4.15
Board_33-unconnected-(U1-CLK-Pad21): U1#4.21
Board_33-unconnected-(U1-DRDYB-Pad20): U1#4.20
Board_33-unconnected-(U1-RSTB-Pad25): U1#4.25
Board_33-unconnected-(U1-SYNCB-Pad13): U1#4.13
Board_33-unconnected-(U1-WCT-Pad7): U1#4.7
Board_33-unconnected-(U2-NC-Pad4): U2#17.4
Board_33-XTAL1: C4.2 U1#4.23 Y1#12.1
Board_33-XTAL2: C3#33.2 U1#4.24 Y1#12.2
Board_34-+3.3V: C3#19.1 C4#8.1 C5#25.1 C9#23.1 J13#12.1 U1#32.22 U2#2.1 U2#2.3
Board_34-+3.3VA: C1#34.1 C8#2.1 U1#32.28 U2#2.5
Board_34-/CMOUT: R1#8.2 U1#32.8
Board_34-/CSB: J12#6.1 U1#32.16
Board_34-/cvref: C2#21.1 U1#32.26
Board_34-/extRef: J7#31.1 JP2#12.1
Board_34-/in1: J2#19.1 J3#12.1 U1#32.1
Board_34-/in2: J4#26.1 U1#32.2
Board_34-/in3: J5#28.1 U1#32.3
Board_34-/in4: J6#27.1 U1#32.4
Board_34-/in5: J8#28.1 U1#32.5
Board_34-/in6: J15#6.1 JP2#12.2 U1#32.6
Board_34-/PICO: J10#19.1 U1#32.18
Board_34-/POCI: J9#12.1 U1#32.19
Board_34-/RLDINV: C6#26.1 R1#8.1 R2#25.1 U1#32.10
Board_34-/RLDOUT: C6#26.2 R2#25.2 U1#32.9
Board_34-/RLDREF: C7#25.1 U1#32.11 U1#32.12
Board_34-/SCLK: J11#30.1 U1#32.17
Board_34-GND: C5#25.2 C8#2.2 C9#23.2 J14#24.1 JP1#12.1 U1#32.14 U1#32.29 U2#2.2
Board_34-GNDA: C1#34.2 C2#21.2 C7#25.2 J16#7.1 JP1#12.2 U1#32.27
Board_34-unconnected-(J1-Pin_1-Pad1): J1#31.1
Board_34-unconnected-(U1-ALARMB-Pad15): U1#32.15
Board_34-unconnected-(U1-CLK-Pad21): U1#32.21
Board_34-unconnected-(U1-DRDYB-Pad20): U1#32.20
Board_34-unconnected-(U1-RSTB-Pad25): U1#32.25
Board_34-unconnected-(U1-SYNCB-Pad13): U1#32.13
Board_34-unconnected-(U1-WCT-Pad7): U1#32.7
Board_34-unconnected-(U2-NC-Pad4): U2#2.4
Board_34-XTAL1: C4#8.2 U1#32.23 Y1#21.1
Board_34-XTAL2: C3#19.2 U1#32.24 Y1#21.2

## Via types
v1: diameter 0.4, hole 0.3, Top to Bottom, 455 vias

## Routing (per net, layer and track width the routed paths; a pad name or vN(x,y) marks a point on that pad's centre or on a via; arc(x,y) is an arc through that point)
Board_0-+3.3V: length 14.8
  Top w0.15: C4#23.1 10.12,89.98 8.95,89.98 8.95,89.31 8.64,89 7.36,89 7.05,89.31 7.05,91.43 C9#20.1 9.05,93.44 ; C4#23.1 10.35,90.18 10.35,88.6 ; C4#23.1 11.29,91.16 C5#34.1 11.59,91.5 12.1,91.5 12.5,91.1 12.5,90.5 U1#15.22 ; J13#26.1 9.05,93.94
Board_0-+3.3VA: length 5.5
  Top w0.15: 8.95,87.61 8.95,86.3 C8#11.1 9.08,86.12 9.55,85.65 10.28,85.65 C1#13.1 11.57,86.57 U1#15.28
